# KiCad board SparkFun_GNSS_LG580P_panelized.kicad_pcb (continued)
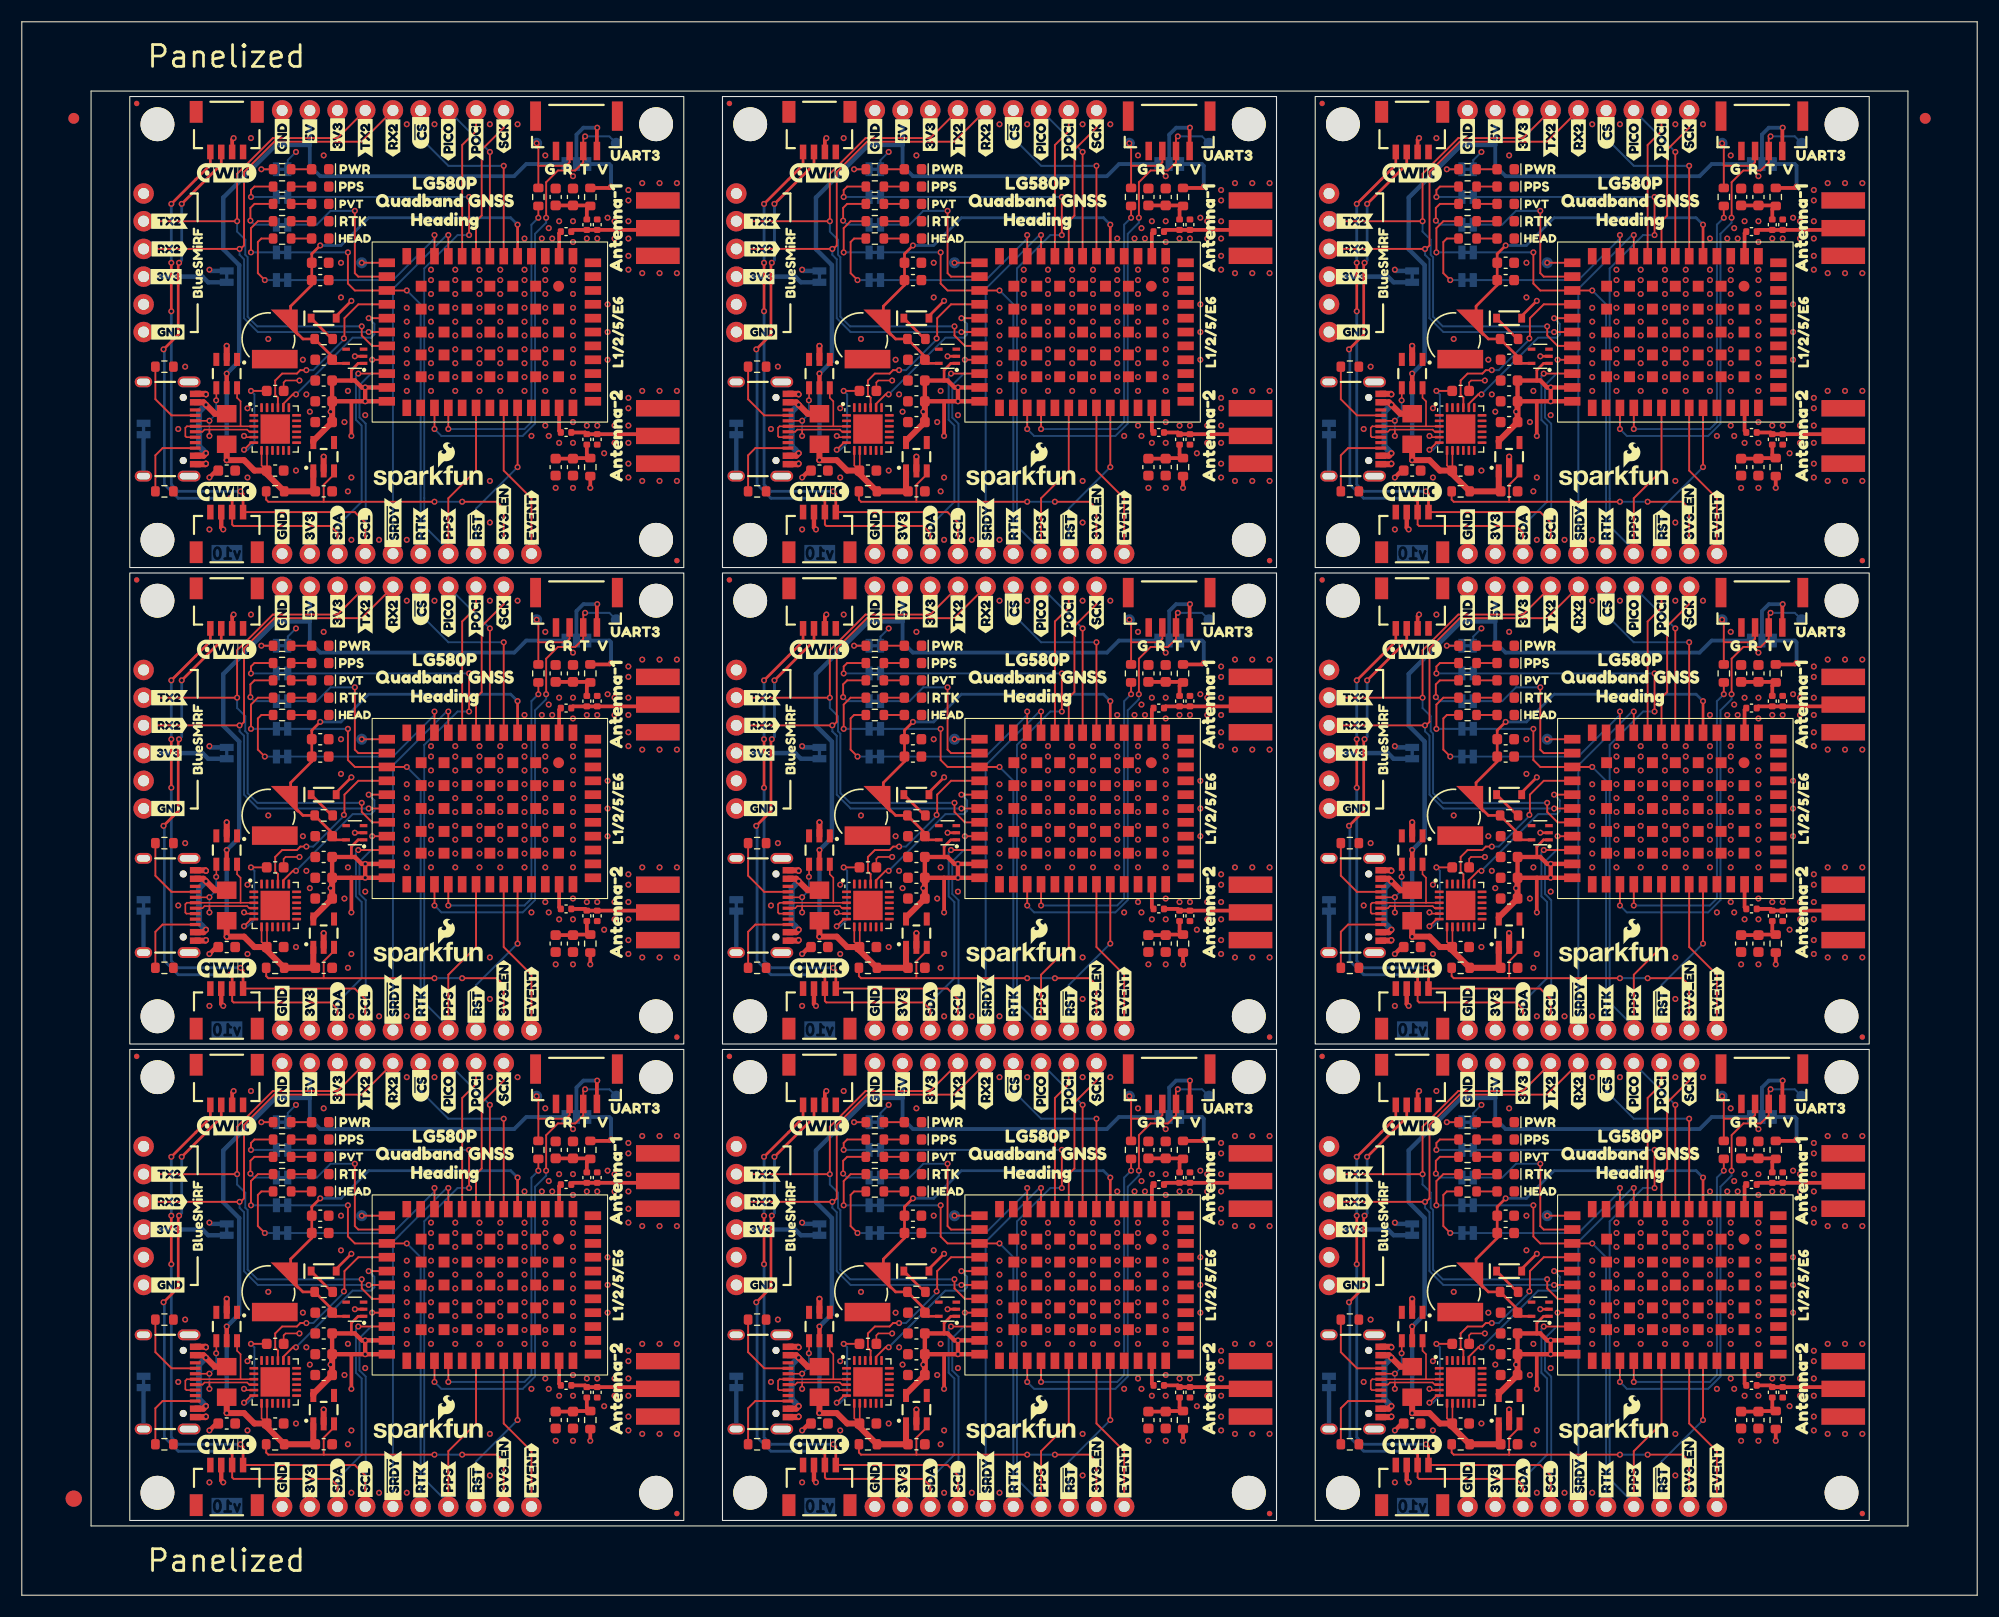
[diagram p0: board, top side]
## Copper pours and planes (outline as drawn; the poured copper is in the pictures) (continued)
GND on Top, Bottom, L2.Cu: 118.59,50.53 118.59,93.71 169.39,93.71 169.39,50.53
GND on Top, Bottom, L2.Cu: 64.25,6.85 64.25,50.03 115.05,50.03 115.05,6.85
GND on Top, Bottom, L2.Cu: 64.25,50.53 64.25,93.71 115.05,93.71 115.05,50.53

## Text on the board
Bottom: v10
V-score: V-SCORE | ROUTE OUT
Fab.Info: Layers: 4 | Solder Mask: Red | Silkscreen Color: White | Thickness: 1.6mm | Finish: ENIG | Controlled Impedance: JLC04161H-7628 | Material: TG155 | No Clean Process | Outer Copper Weight: 1oz | Inner Copper Weight: 0.5oz | Ordering Notes
F.Silkscreen: Panelized
